# KiCad board panel-16.kicad_pcb
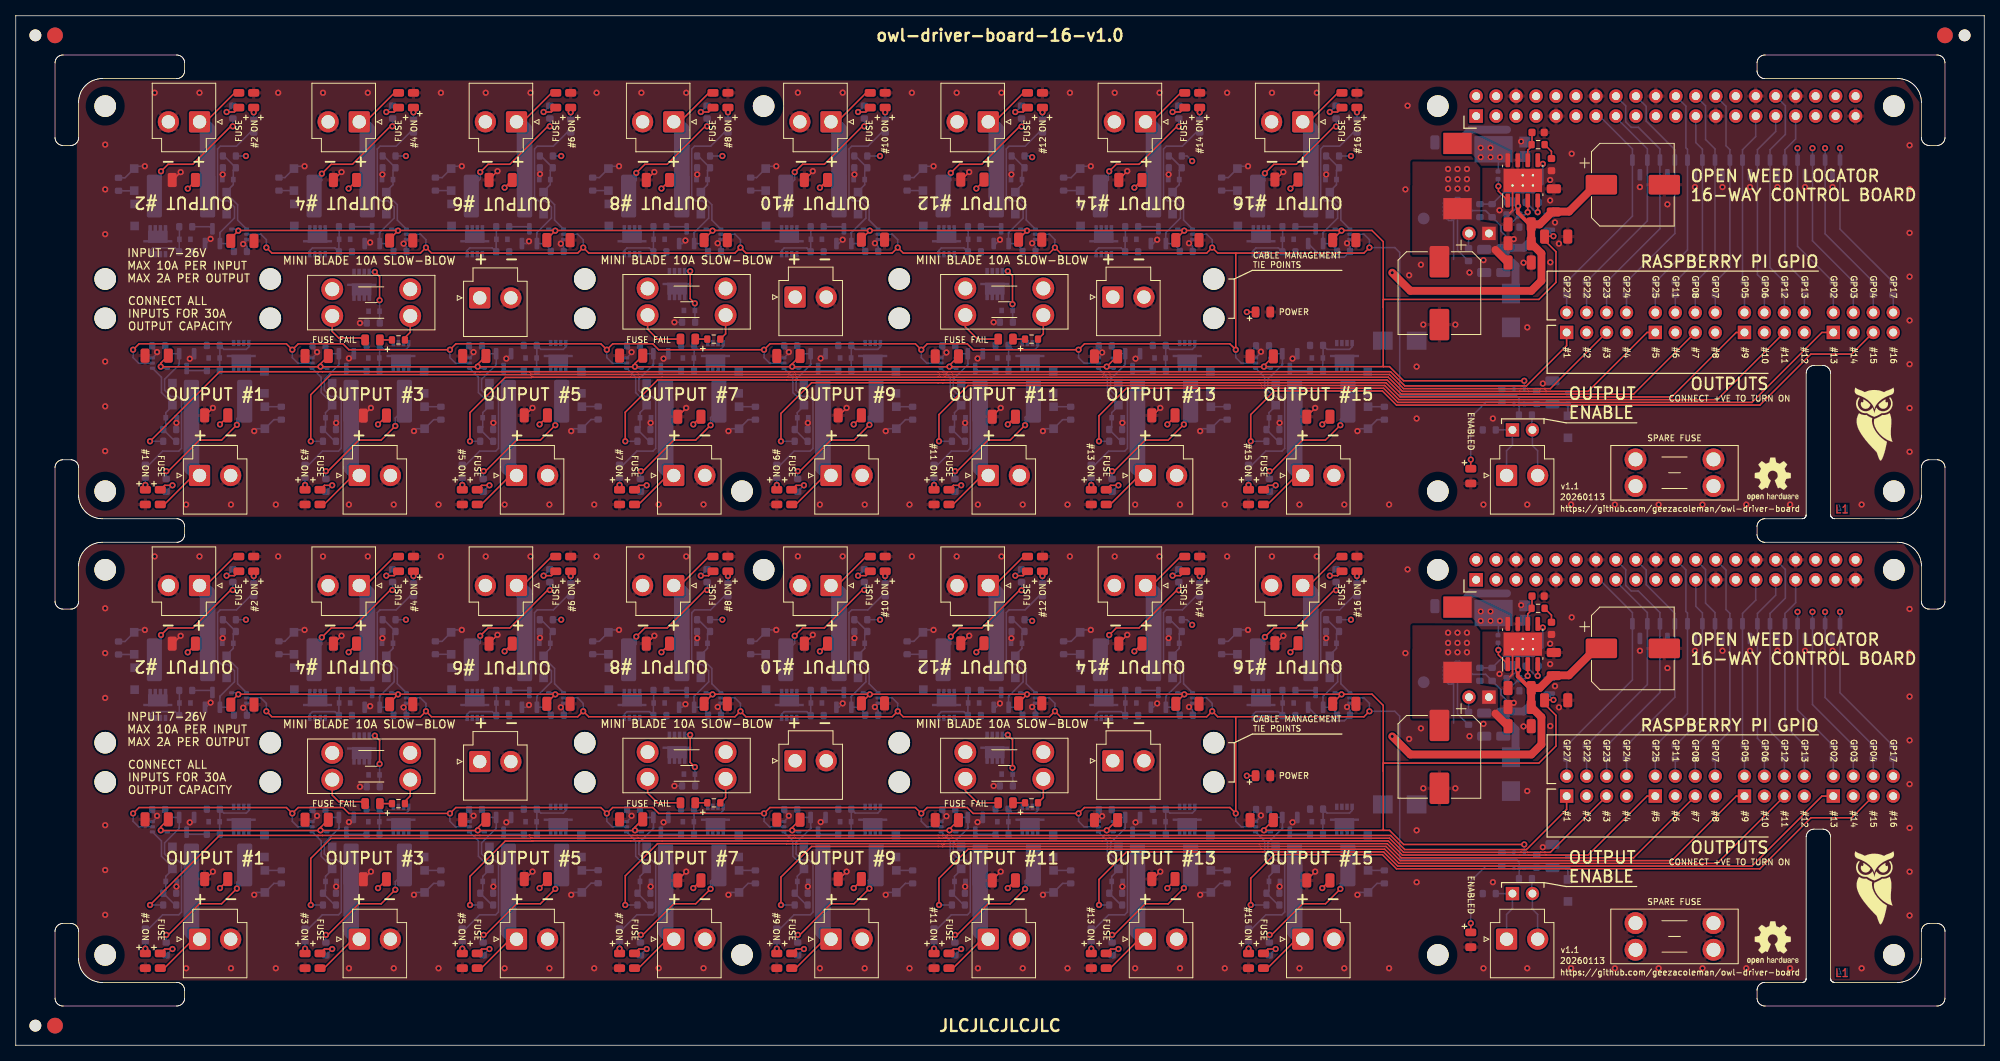
[diagram p0: board, top side]
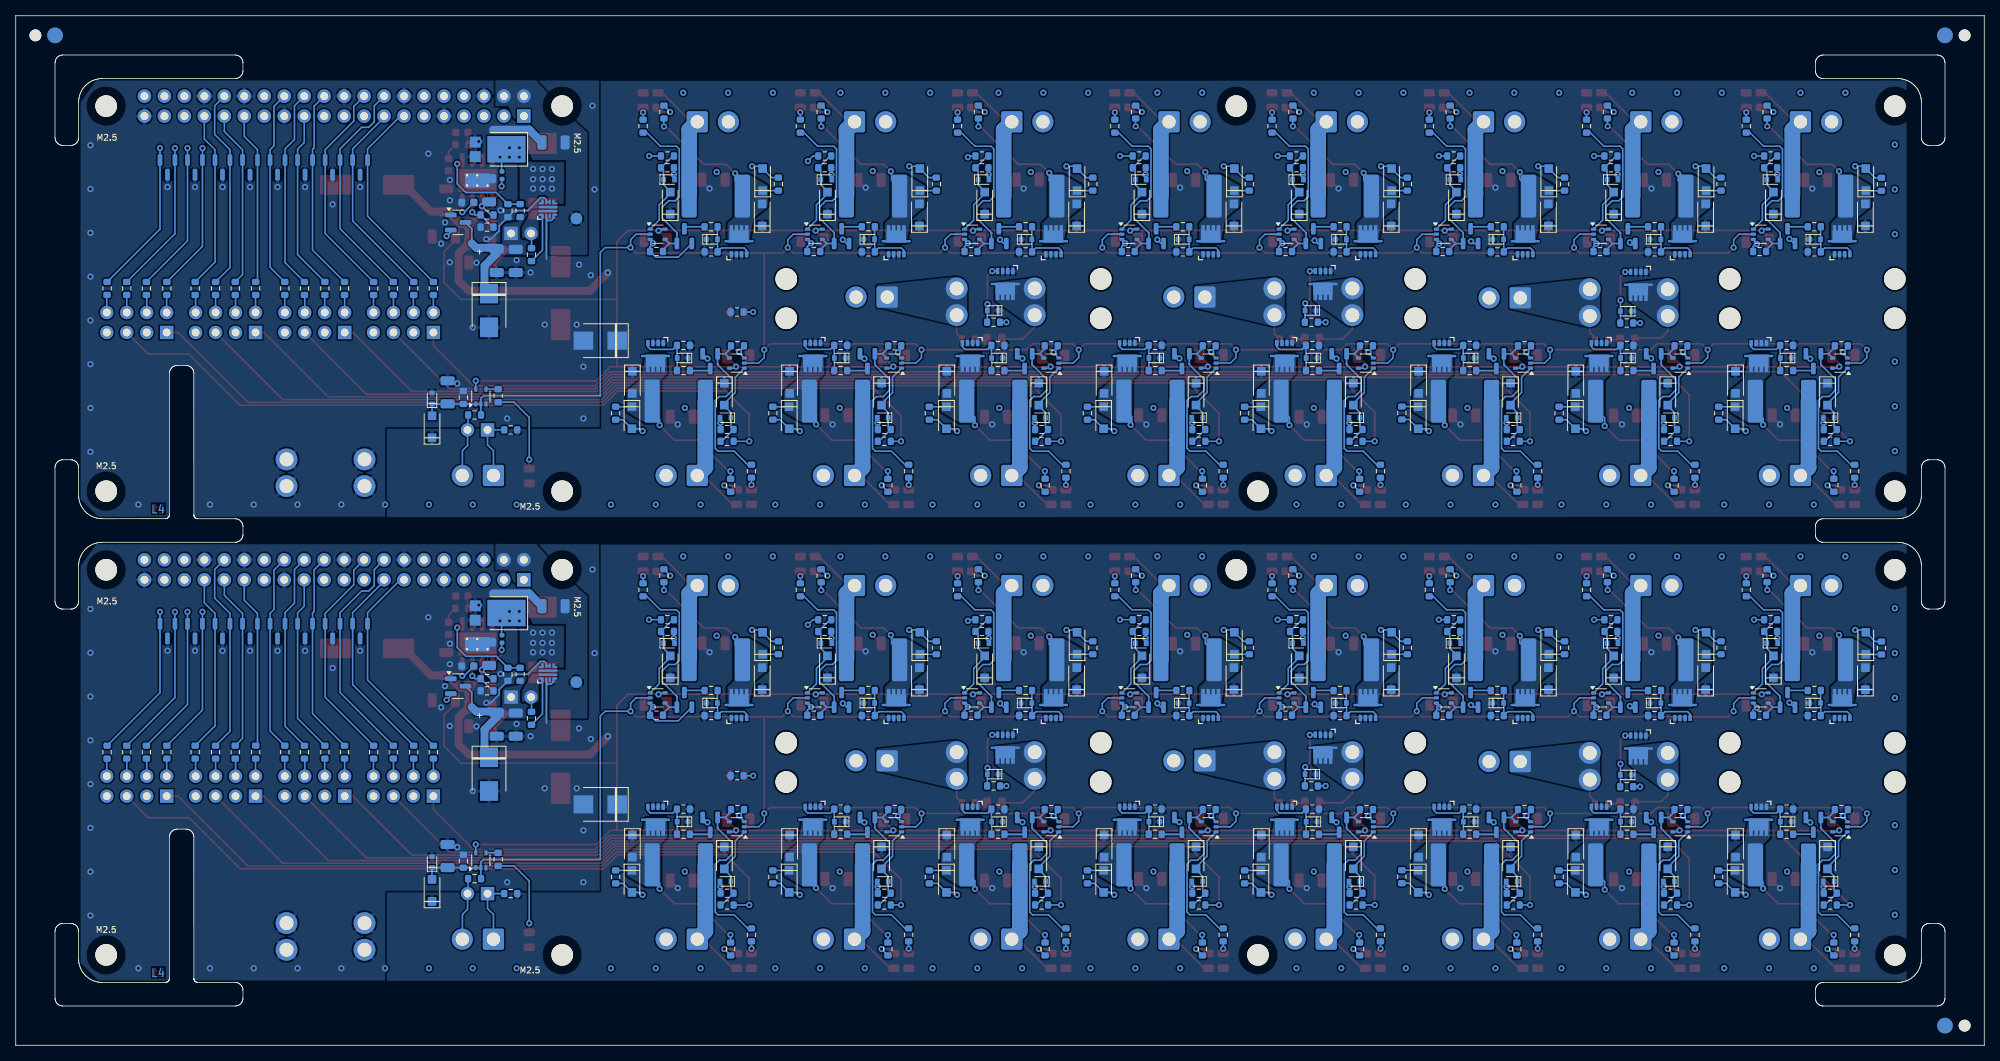
[diagram p1: board, bottom side, seen from below]

Outline 250.38 x 131 mm; copper layers: Top, In1.Cu, In2.Cu, Bottom. Coordinates in mm from the lower left corner of the outline.
Stack: Top 0.035mm / dielectric 0.1mm FR4 er 4.5 / In1.Cu 0.035mm / dielectric 1.24mm FR4 er 4.5 / In2.Cu 0.035mm / dielectric 0.1mm FR4 er 4.5 / Bottom 0.035mm

## Placement (name value [footprint] x y rotation side)
C1  10uF  [C_1206_3216Metric_nosilk]  165.68 79.98 180 top
C1#2  10uF  [C_1206_3216Metric_nosilk]  165.68 20.98 180 top
C2  10uF  [C_1206_3216Metric_nosilk]  21.38 110.1 180 top
C2#2  10uF  [C_1206_3216Metric_nosilk]  21.38 51.1 180 top
C3  10uF  [C_1206_3216Metric_nosilk]  125.68 20.98 180 top
C3#2  10uF  [C_1206_3216Metric_nosilk]  125.68 79.98 180 top
C4  10uF  [C_1206_3216Metric_nosilk]  45.68 80.13 180 top
C4#2  10uF  [C_1206_3216Metric_nosilk]  45.68 21.13 180 top
C5  10uF  [C_1206_3216Metric_nosilk]  195.63 107.5 90 top
C5#2  10uF  [C_1206_3216Metric_nosilk]  195.63 48.5 90 top
C6  10uF  [C_1206_3216Metric_nosilk]  191.28 104.45 180 top
C6#2  10uF  [C_1206_3216Metric_nosilk]  191.28 45.45 180 top
C7  10uF  [C_1206_3216Metric_nosilk]  41.88 51.1 180 top
C7#2  10uF  [C_1206_3216Metric_nosilk]  41.88 110.1 180 top
C8  220uF 50V  [CP_Elec_10x10]  205.68 109.5 0 top
C8#2  220uF 50V  [CP_Elec_10x10]  205.68 50.5 0 top
C9  10uF  [C_1206_3216Metric_nosilk]  189.2 40.8 270 bottom
C9#2  10uF  [C_1206_3216Metric_nosilk]  189.2 99.8 270 bottom
C10  10uF  [C_1206_3216Metric_nosilk]  181.98 114.88 0 bottom
C10#2  10uF  [C_1206_3216Metric_nosilk]  181.98 55.88 0 bottom
C11  10uF  [C_1206_3216Metric_nosilk]  61.68 110.1 180 top
C11#2  10uF  [C_1206_3216Metric_nosilk]  61.68 51.1 180 top
C12  10uF  [C_1206_3216Metric_nosilk]  141.78 51.1 180 top
C12#2  10uF  [C_1206_3216Metric_nosilk]  141.78 110.1 180 top
C13  220uF 50V  [CP_Elec_10x10]  181.08 36.7 270 top
C13#2  220uF 50V  [CP_Elec_10x10]  181.08 95.7 270 top
C14  10uF  [C_1206_3216Metric_nosilk]  191.28 99.6 0 top
C14#2  10uF  [C_1206_3216Metric_nosilk]  191.28 40.6 0 top
C15  10uF  [C_1206_3216Metric_nosilk]  85.68 20.98 180 top
C15#2  10uF  [C_1206_3216Metric_nosilk]  85.68 79.98 180 top
C16  10uF  [C_1206_3216Metric_nosilk]  101.78 51.1 180 top
C16#2  10uF  [C_1206_3216Metric_nosilk]  101.78 110.1 180 top
C17  100n  [C_0402_1005Metric_nosilk]  188.53 51.7 90 bottom
C17#2  100n  [C_0402_1005Metric_nosilk]  188.53 110.7 90 bottom
C18  10uF  [C_1206_3216Metric_nosilk]  191.28 43.05 180 top
C18#2  10uF  [C_1206_3216Metric_nosilk]  191.28 102.05 180 top
C19  10uF  [C_1206_3216Metric_nosilk]  190.18 108.8 90 bottom
C19#2  10uF  [C_1206_3216Metric_nosilk]  190.18 49.8 90 bottom
C20  10uF  [C_1206_3216Metric_nosilk]  186.78 99.8 270 bottom
C20#2  10uF  [C_1206_3216Metric_nosilk]  186.78 40.8 270 bottom
C21  10uF  [C_1206_3216Metric_nosilk]  81.68 51.1 180 top
C21#2  10uF  [C_1206_3216Metric_nosilk]  81.68 110.1 180 top
C22  10p  [C_0603_1608Metric_nosilk]  193.63 57.15 0 top
C22#2  10p  [C_0603_1608Metric_nosilk]  193.63 116.15 0 top
C23  2n  [C_0603_1608Metric_nosilk]  195.33 53.05 270 top
C23#2  2n  [C_0603_1608Metric_nosilk]  195.33 112.05 270 top
C24  10n  [C_0603_1608Metric_nosilk]  192.88 107.25 0 bottom
C24#2  10n  [C_0603_1608Metric_nosilk]  192.88 48.25 0 bottom
C25  10uF  [C_1206_3216Metric_nosilk]  195.45 24.08 90 bottom
C25#2  10uF  [C_1206_3216Metric_nosilk]  195.45 83.08 90 bottom
C26  10uF  [C_1206_3216Metric_nosilk]  121.68 110.15 180 top
C26#2  10uF  [C_1206_3216Metric_nosilk]  121.68 51.15 180 top
C27  10uF  [C_1206_3216Metric_nosilk]  161.63 51.15 180 top
C27#2  10uF  [C_1206_3216Metric_nosilk]  161.63 110.15 180 top
C28  10uF  [C_1206_3216Metric_nosilk]  25.5 21.15 180 top
C28#2  10uF  [C_1206_3216Metric_nosilk]  25.5 80.15 180 top
C29  10uF  [C_1206_3216Metric_nosilk]  17.93 28.75 180 top
C29#2  10uF  [C_1206_3216Metric_nosilk]  17.93 87.75 180 top
C30  10uF  [C_1206_3216Metric_nosilk]  195.93 43.9 0 top
C30#2  10uF  [C_1206_3216Metric_nosilk]  195.93 102.9 0 top
C31  10uF  [C_1206_3216Metric_nosilk]  28.83 102.35 0 top
C31#2  10uF  [C_1206_3216Metric_nosilk]  28.83 43.35 0 top
C32  10uF  [C_1206_3216Metric_nosilk]  38.28 28.7 180 top
C32#2  10uF  [C_1206_3216Metric_nosilk]  38.28 87.7 180 top
C33  10uF  [C_1206_3216Metric_nosilk]  49.03 102.4 0 top
C33#2  10uF  [C_1206_3216Metric_nosilk]  49.03 43.4 0 top
C34  10uF  [C_1206_3216Metric_nosilk]  58.33 28.7 180 top
C34#2  10uF  [C_1206_3216Metric_nosilk]  58.33 87.7 180 top
C35  10uF  [C_1206_3216Metric_nosilk]  69.03 43.45 0 top
C35#2  10uF  [C_1206_3216Metric_nosilk]  69.03 102.45 0 top
C36  10uF  [C_1206_3216Metric_nosilk]  78.28 28.75 180 top
C36#2  10uF  [C_1206_3216Metric_nosilk]  78.28 87.75 180 top
C37  10uF  [C_1206_3216Metric_nosilk]  89.03 102.45 0 top
C37#2  10uF  [C_1206_3216Metric_nosilk]  89.03 43.45 0 top
C38  10uF  [C_1206_3216Metric_nosilk]  98.28 28.7 180 top
C38#2  10uF  [C_1206_3216Metric_nosilk]  98.28 87.7 180 top
C39  10uF  [C_1206_3216Metric_nosilk]  109.03 43.5 0 top
C39#2  10uF  [C_1206_3216Metric_nosilk]  109.03 102.5 0 top
C40  10uF  [C_1206_3216Metric_nosilk]  118.43 87.65 180 top
C40#2  10uF  [C_1206_3216Metric_nosilk]  118.43 28.65 180 top
C41  10uF  [C_1206_3216Metric_nosilk]  129.03 43.5 0 top
C41#2  10uF  [C_1206_3216Metric_nosilk]  129.03 102.5 0 top
C42  10uF  [C_1206_3216Metric_nosilk]  138.68 87.65 180 top
C42#2  10uF  [C_1206_3216Metric_nosilk]  138.68 28.65 180 top
C43  10uF  [C_1206_3216Metric_nosilk]  149.03 43.45 0 top
C43#2  10uF  [C_1206_3216Metric_nosilk]  149.03 102.45 0 top
C44  10uF  [C_1206_3216Metric_nosilk]  158.48 28.65 180 top
C44#2  10uF  [C_1206_3216Metric_nosilk]  158.48 87.65 180 top
C45  10uF  [C_1206_3216Metric_nosilk]  168.98 102.45 0 top
C45#2  10uF  [C_1206_3216Metric_nosilk]  168.98 43.45 0 top
C46  10uF  [C_1206_3216Metric_nosilk]  145.98 21.15 180 top
C46#2  10uF  [C_1206_3216Metric_nosilk]  145.98 80.15 180 top
C47  10uF  [C_1206_3216Metric_nosilk]  106.08 80.15 180 top
C47#2  10uF  [C_1206_3216Metric_nosilk]  106.08 21.15 180 top
C48  10uF  [C_1206_3216Metric_nosilk]  66.15 80.15 180 top
C48#2  10uF  [C_1206_3216Metric_nosilk]  66.15 21.15 180 top
D1  KT-0805Y  [LED_0805_2012Metric]  45.38 30.75 0 top
D1#2  KT-0805Y  [LED_0805_2012Metric]  45.38 89.75 0 top
D2  BZT585B13T-7 13V  [D_SOD-523_silkpolarity]  25.24 28.45 0 bottom
D2#2  BZT585B13T-7 13V  [D_SOD-523_silkpolarity]  25.24 87.45 0 bottom
D3  BZT585B13T-7 13V  [D_SOD-523_silkpolarity]  21.52 102.55 180 bottom
D3#2  BZT585B13T-7 13V  [D_SOD-523_silkpolarity]  21.52 43.55 180 bottom
D4  KT-0805Y  [LED_0805_2012Metric]  18.39 69.75 90 top
D4#2  KT-0805Y  [LED_0805_2012Metric]  18.39 10.75 90 top
D5  KT-0805Y  [LED_0805_2012Metric]  28.37 120.25 270 top
D5#2  KT-0805Y  [LED_0805_2012Metric]  28.37 61.25 270 top
D6  BZT52C5V1T  [D_SOD-523_silkpolarity]  45.58 93.4 0 bottom
D6#2  BZT52C5V1T  [D_SOD-523_silkpolarity]  45.58 34.4 0 bottom
D7  SMBJ26A  [D_SMB_silkpolarity]  176.03 30.65 0 bottom
D7#2  SMBJ26A  [D_SMB_silkpolarity]  176.03 89.65 0 bottom
D8  DSK34  [D_SOD-123F_silkpolarity]  31.64 84.35 270 bottom
D8#2  DSK34  [D_SOD-123F_silkpolarity]  31.64 25.35 270 bottom
D9  DSK34  [D_SOD-123F_silkpolarity]  15.12 105.65 90 bottom
D9#2  DSK34  [D_SOD-123F_silkpolarity]  15.12 46.65 90 bottom
D10  DSK34  [D_SOD-123F_silkpolarity]  31.69 20.85 270 bottom
D10#2  DSK34  [D_SOD-123F_silkpolarity]  31.69 79.85 270 bottom
D11  DSK34  [D_SOD-123F_silkpolarity]  15.07 110.15 90 bottom
D11#2  DSK34  [D_SOD-123F_silkpolarity]  15.07 51.15 90 bottom
D12  DSK34  [D_SOD-123F_silkpolarity]  19.94 23.85 270 bottom
D12#2  DSK34  [D_SOD-123F_silkpolarity]  19.94 82.85 270 bottom
D13  DSK34  [D_SOD-123F_silkpolarity]  26.82 48.15 90 bottom
D13#2  DSK34  [D_SOD-123F_silkpolarity]  26.82 107.15 90 bottom
D14  DSK34  [D_SOD-123F_silkpolarity]  40.25 82.85 270 bottom
D14#2  DSK34  [D_SOD-123F_silkpolarity]  40.25 23.85 270 bottom
D15  BZT585B13T-7 13V  [D_SOD-523_silkpolarity]  45.55 87.45 0 bottom
D15#2  BZT585B13T-7 13V  [D_SOD-523_silkpolarity]  45.55 28.45 0 bottom
D16  SMBJ5.0A  [D_SMB_silkpolarity]  190.18 34.5 270 bottom
D16#2  SMBJ5.0A  [D_SMB_silkpolarity]  190.18 93.5 270 bottom
D17  DSK34  [D_SOD-123F_silkpolarity]  51.95 25.35 270 bottom
D17#2  DSK34  [D_SOD-123F_silkpolarity]  51.95 84.35 270 bottom
D18  DSK34  [D_SOD-123F_silkpolarity]  52 79.85 270 bottom
D18#2  DSK34  [D_SOD-123F_silkpolarity]  52 20.85 270 bottom
D19  KT-0805Y  [LED_0805_2012Metric]  38.7 69.75 90 top
D19#2  KT-0805Y  [LED_0805_2012Metric]  38.7 10.75 90 top
D20  DSK34  [D_SOD-123F_silkpolarity]  47.14 48.15 90 bottom
D20#2  DSK34  [D_SOD-123F_silkpolarity]  47.14 107.15 90 bottom
D21  BZT585B13T-7 13V  [D_SOD-523_silkpolarity]  41.84 43.55 180 bottom
D21#2  BZT585B13T-7 13V  [D_SOD-523_silkpolarity]  41.84 102.55 180 bottom
D22  DSK34  [D_SOD-123F_silkpolarity]  35.44 46.65 90 bottom
D22#2  DSK34  [D_SOD-123F_silkpolarity]  35.44 105.65 90 bottom
D23  DSK34  [D_SOD-123F_silkpolarity]  35.39 51.15 90 bottom
D23#2  DSK34  [D_SOD-123F_silkpolarity]  35.39 110.15 90 bottom
D24  KT-0805Y  [LED_0805_2012Metric]  48.69 61.25 270 top
D24#2  KT-0805Y  [LED_0805_2012Metric]  48.69 120.25 270 top
D25  DSK34  [D_SOD-123F_silkpolarity]  60.25 23.85 270 bottom
D25#2  DSK34  [D_SOD-123F_silkpolarity]  60.25 82.85 270 bottom
D26  BZT585B13T-7 13V  [D_SOD-523_silkpolarity]  65.55 28.45 0 bottom
D26#2  BZT585B13T-7 13V  [D_SOD-523_silkpolarity]  65.55 87.45 0 bottom
D27  DSK34  [D_SOD-123F_silkpolarity]  71.95 25.35 270 bottom
D27#2  DSK34  [D_SOD-123F_silkpolarity]  71.95 84.35 270 bottom
D28  DSK34  [D_SOD-123F_silkpolarity]  72 79.85 270 bottom
D28#2  DSK34  [D_SOD-123F_silkpolarity]  72 20.85 270 bottom
D29  KT-0805G  [LED_0805_2012Metric]  16.49 69.75 90 top
D29#2  KT-0805G  [LED_0805_2012Metric]  16.49 10.75 90 top
D30  KT-0805G  [LED_0805_2012Metric]  30.27 120.25 270 top
D30#2  KT-0805G  [LED_0805_2012Metric]  30.27 61.25 270 top
D31  KT-0805G  [LED_0805_2012Metric]  36.8 69.75 90 top
D31#2  KT-0805G  [LED_0805_2012Metric]  36.8 10.75 90 top
D32  KT-0805Y  [LED_0805_2012Metric]  85.49 30.85 0 top
D32#2  KT-0805Y  [LED_0805_2012Metric]  85.49 89.85 0 top
D33  BZT52C5V1T  [D_SOD-523_silkpolarity]  85.69 34.5 0 bottom
D33#2  BZT52C5V1T  [D_SOD-523_silkpolarity]  85.69 93.5 0 bottom
D34  AZ23C3V3  [SOT-23_nosilk]  206.58 52.7 270 bottom
D34#2  AZ23C3V3  [SOT-23_nosilk]  206.58 111.7 270 bottom
D35  AZ23C3V3  [SOT-23_nosilk]  210.08 52.7 270 bottom
D35#2  AZ23C3V3  [SOT-23_nosilk]  210.08 111.7 270 bottom
D36  PDS1040L-13  [D_PowerDI-5]  189.08 114 0 bottom
D36#2  PDS1040L-13  [D_PowerDI-5]  189.08 55 0 bottom
D37  KT-0805G  [LED_0805_2012Metric]  50.59 120.25 270 top
D37#2  KT-0805G  [LED_0805_2012Metric]  50.59 61.25 270 top
D38  KT-0805G  [LED_0805_2012Metric]  158.63 93.3 180 top
D38#2  KT-0805G  [LED_0805_2012Metric]  158.63 34.3 180 top
D39  BZT52C5V1T  [D_SOD-523_silkpolarity]  197.43 23.3 90 bottom
D39#2  BZT52C5V1T  [D_SOD-523_silkpolarity]  197.43 82.3 90 bottom
D40  DSK34  [D_SOD-123F_silkpolarity]  197.43 19.7 90 bottom
D40#2  DSK34  [D_SOD-123F_silkpolarity]  197.43 78.7 90 bottom
D41  KT-0805G  [LED_0805_2012Metric]  185.07 13.43 90 top
D41#2  KT-0805G  [LED_0805_2012Metric]  185.07 72.43 90 top
D42  KT-0805G  [LED_0805_2012Metric]  56.8 10.75 90 top
D42#2  KT-0805G  [LED_0805_2012Metric]  56.8 69.75 90 top
D43  KT-0805Y  [LED_0805_2012Metric]  58.7 10.75 90 top
D43#2  KT-0805Y  [LED_0805_2012Metric]  58.7 69.75 90 top
D44  DSK34  [D_SOD-123F_silkpolarity]  67.14 48.15 90 bottom
D44#2  DSK34  [D_SOD-123F_silkpolarity]  67.14 107.15 90 bottom
D45  BZT52C5V1T  [D_SOD-523_silkpolarity]  19.79 20.85 0 bottom
D45#2  BZT52C5V1T  [D_SOD-523_silkpolarity]  19.79 79.85 0 bottom
D46  BZT52C5V1T  [D_SOD-523_silkpolarity]  26.97 110.15 180 bottom
D46#2  BZT52C5V1T  [D_SOD-523_silkpolarity]  26.97 51.15 180 bottom
D47  BZT52C5V1T  [D_SOD-523_silkpolarity]  40.1 79.85 0 bottom
D47#2  BZT52C5V1T  [D_SOD-523_silkpolarity]  40.1 20.85 0 bottom
D48  BZT52C5V1T  [D_SOD-523_silkpolarity]  47.29 51.15 180 bottom
D48#2  BZT52C5V1T  [D_SOD-523_silkpolarity]  47.29 110.15 180 bottom
D49  BZT52C5V1T  [D_SOD-523_silkpolarity]  60.1 79.85 0 bottom
D49#2  BZT52C5V1T  [D_SOD-523_silkpolarity]  60.1 20.85 0 bottom
D50  BZT52C5V1T  [D_SOD-523_silkpolarity]  67.29 110.15 180 bottom
D50#2  BZT52C5V1T  [D_SOD-523_silkpolarity]  67.29 51.15 180 bottom
D51  KT-0805G  [LED_0805_2012Metric]  70.59 120.25 270 top
D51#2  KT-0805G  [LED_0805_2012Metric]  70.59 61.25 270 top
D52  BZT585B13T-7 13V  [D_SOD-523_silkpolarity]  61.84 102.55 180 bottom
D52#2  BZT585B13T-7 13V  [D_SOD-523_silkpolarity]  61.84 43.55 180 bottom
D53  DSK34  [D_SOD-123F_silkpolarity]  55.44 105.65 90 bottom
D53#2  DSK34  [D_SOD-123F_silkpolarity]  55.44 46.65 90 bottom
D54  DSK34  [D_SOD-123F_silkpolarity]  55.39 110.15 90 bottom
D54#2  DSK34  [D_SOD-123F_silkpolarity]  55.39 51.15 90 bottom
D55  KT-0805Y  [LED_0805_2012Metric]  68.69 61.25 270 top
D55#2  KT-0805Y  [LED_0805_2012Metric]  68.69 120.25 270 top
D56  DSK34  [D_SOD-123F_silkpolarity]  80.25 23.85 270 bottom
D56#2  DSK34  [D_SOD-123F_silkpolarity]  80.25 82.85 270 bottom
D57  BZT52C5V1T  [D_SOD-523_silkpolarity]  80.1 20.85 0 bottom
D57#2  BZT52C5V1T  [D_SOD-523_silkpolarity]  80.1 79.85 0 bottom
D58  KT-0805G  [LED_0805_2012Metric]  76.8 10.75 90 top
D58#2  KT-0805G  [LED_0805_2012Metric]  76.8 69.75 90 top
D59  BZT585B13T-7 13V  [D_SOD-523_silkpolarity]  85.55 87.45 0 bottom
D59#2  BZT585B13T-7 13V  [D_SOD-523_silkpolarity]  85.55 28.45 0 bottom
D60  DSK34  [D_SOD-123F_silkpolarity]  91.95 84.35 270 bottom
D60#2  DSK34  [D_SOD-123F_silkpolarity]  91.95 25.35 270 bottom
D61  DSK34  [D_SOD-123F_silkpolarity]  92 20.85 270 bottom
D61#2  DSK34  [D_SOD-123F_silkpolarity]  92 79.85 270 bottom
D62  KT-0805Y  [LED_0805_2012Metric]  78.7 10.75 90 top
D62#2  KT-0805Y  [LED_0805_2012Metric]  78.7 69.75 90 top
D63  DSK34  [D_SOD-123F_silkpolarity]  87.14 48.15 90 bottom
D63#2  DSK34  [D_SOD-123F_silkpolarity]  87.14 107.15 90 bottom
D64  BZT52C5V1T  [D_SOD-523_silkpolarity]  87.29 51.15 180 bottom
D64#2  BZT52C5V1T  [D_SOD-523_silkpolarity]  87.29 110.15 180 bottom
D65  KT-0805G  [LED_0805_2012Metric]  90.59 120.25 270 top
D65#2  KT-0805G  [LED_0805_2012Metric]  90.59 61.25 270 top
D66  BZT585B13T-7 13V  [D_SOD-523_silkpolarity]  81.84 43.55 180 bottom
D66#2  BZT585B13T-7 13V  [D_SOD-523_silkpolarity]  81.84 102.55 180 bottom
D67  DSK34  [D_SOD-123F_silkpolarity]  75.44 46.65 90 bottom
D67#2  DSK34  [D_SOD-123F_silkpolarity]  75.44 105.65 90 bottom
D68  DSK34  [D_SOD-123F_silkpolarity]  75.39 51.15 90 bottom
D68#2  DSK34  [D_SOD-123F_silkpolarity]  75.39 110.15 90 bottom
D69  KT-0805Y  [LED_0805_2012Metric]  88.69 120.25 270 top
D69#2  KT-0805Y  [LED_0805_2012Metric]  88.69 61.25 270 top
D70  DSK34  [D_SOD-123F_silkpolarity]  100.25 23.85 270 bottom
D70#2  DSK34  [D_SOD-123F_silkpolarity]  100.25 82.85 270 bottom
D71  BZT52C5V1T  [D_SOD-523_silkpolarity]  100.1 20.85 0 bottom
D71#2  BZT52C5V1T  [D_SOD-523_silkpolarity]  100.1 79.85 0 bottom
D72  KT-0805G  [LED_0805_2012Metric]  96.8 10.75 90 top
D72#2  KT-0805G  [LED_0805_2012Metric]  96.8 69.75 90 top
D73  BZT585B13T-7 13V  [D_SOD-523_silkpolarity]  105.55 28.45 0 bottom
D73#2  BZT585B13T-7 13V  [D_SOD-523_silkpolarity]  105.55 87.45 0 bottom
D74  DSK34  [D_SOD-123F_silkpolarity]  111.95 84.35 270 bottom
D74#2  DSK34  [D_SOD-123F_silkpolarity]  111.95 25.35 270 bottom
D75  DSK34  [D_SOD-123F_silkpolarity]  112 20.85 270 bottom
D75#2  DSK34  [D_SOD-123F_silkpolarity]  112 79.85 270 bottom
D76  KT-0805Y  [LED_0805_2012Metric]  98.7 10.75 90 top
D76#2  KT-0805Y  [LED_0805_2012Metric]  98.7 69.75 90 top
D77  DSK34  [D_SOD-123F_silkpolarity]  107.14 107.15 90 bottom
D77#2  DSK34  [D_SOD-123F_silkpolarity]  107.14 48.15 90 bottom
D78  BZT52C5V1T  [D_SOD-523_silkpolarity]  107.29 110.15 180 bottom
D78#2  BZT52C5V1T  [D_SOD-523_silkpolarity]  107.29 51.15 180 bottom
D79  KT-0805G  [LED_0805_2012Metric]  110.59 120.25 270 top
D79#2  KT-0805G  [LED_0805_2012Metric]  110.59 61.25 270 top
D80  BZT585B13T-7 13V  [D_SOD-523_silkpolarity]  101.84 43.55 180 bottom
D80#2  BZT585B13T-7 13V  [D_SOD-523_silkpolarity]  101.84 102.55 180 bottom
D81  DSK34  [D_SOD-123F_silkpolarity]  95.44 46.65 90 bottom
D81#2  DSK34  [D_SOD-123F_silkpolarity]  95.44 105.65 90 bottom
D82  DSK34  [D_SOD-123F_silkpolarity]  95.39 51.15 90 bottom
D82#2  DSK34  [D_SOD-123F_silkpolarity]  95.39 110.15 90 bottom
D83  KT-0805Y  [LED_0805_2012Metric]  108.69 61.25 270 top
D83#2  KT-0805Y  [LED_0805_2012Metric]  108.69 120.25 270 top
D84  DSK34  [D_SOD-123F_silkpolarity]  120.25 23.85 270 bottom
D84#2  DSK34  [D_SOD-123F_silkpolarity]  120.25 82.85 270 bottom
D85  BZT52C5V1T  [D_SOD-523_silkpolarity]  120.1 79.85 0 bottom
D85#2  BZT52C5V1T  [D_SOD-523_silkpolarity]  120.1 20.85 0 bottom
D86  KT-0805G  [LED_0805_2012Metric]  116.8 10.75 90 top
D86#2  KT-0805G  [LED_0805_2012Metric]  116.8 69.75 90 top
D87  BZT585B13T-7 13V  [D_SOD-523_silkpolarity]  125.55 28.45 0 bottom
D87#2  BZT585B13T-7 13V  [D_SOD-523_silkpolarity]  125.55 87.45 0 bottom
D88  DSK34  [D_SOD-123F_silkpolarity]  131.95 25.35 270 bottom
D88#2  DSK34  [D_SOD-123F_silkpolarity]  131.95 84.35 270 bottom
D89  DSK34  [D_SOD-123F_silkpolarity]  132 79.85 270 bottom
D89#2  DSK34  [D_SOD-123F_silkpolarity]  132 20.85 270 bottom
D90  KT-0805Y  [LED_0805_2012Metric]  118.7 10.75 90 top
D90#2  KT-0805Y  [LED_0805_2012Metric]  118.7 69.75 90 top
D91  DSK34  [D_SOD-123F_silkpolarity]  127.14 48.15 90 bottom
D91#2  DSK34  [D_SOD-123F_silkpolarity]  127.14 107.15 90 bottom
D92  BZT52C5V1T  [D_SOD-523_silkpolarity]  127.29 110.15 180 bottom
D92#2  BZT52C5V1T  [D_SOD-523_silkpolarity]  127.29 51.15 180 bottom
D93  KT-0805G  [LED_0805_2012Metric]  130.59 61.25 270 top
D93#2  KT-0805G  [LED_0805_2012Metric]  130.59 120.25 270 top
D94  BZT585B13T-7 13V  [D_SOD-523_silkpolarity]  121.84 43.55 180 bottom
D94#2  BZT585B13T-7 13V  [D_SOD-523_silkpolarity]  121.84 102.55 180 bottom
D95  DSK34  [D_SOD-123F_silkpolarity]  115.44 105.65 90 bottom
D95#2  DSK34  [D_SOD-123F_silkpolarity]  115.44 46.65 90 bottom
D96  DSK34  [D_SOD-123F_silkpolarity]  115.39 51.15 90 bottom
D96#2  DSK34  [D_SOD-123F_silkpolarity]  115.39 110.15 90 bottom
D97  KT-0805Y  [LED_0805_2012Metric]  128.69 61.25 270 top
D97#2  KT-0805Y  [LED_0805_2012Metric]  128.69 120.25 270 top
D98  DSK34  [D_SOD-123F_silkpolarity]  140.25 82.85 270 bottom
D98#2  DSK34  [D_SOD-123F_silkpolarity]  140.25 23.85 270 bottom
D99  BZT52C5V1T  [D_SOD-523_silkpolarity]  140.1 20.85 0 bottom
D99#2  BZT52C5V1T  [D_SOD-523_silkpolarity]  140.1 79.85 0 bottom
D100  KT-0805G  [LED_0805_2012Metric]  136.8 10.75 90 top
D100#2  KT-0805G  [LED_0805_2012Metric]  136.8 69.75 90 top
D101  BZT585B13T-7 13V  [D_SOD-523_silkpolarity]  145.55 87.45 0 bottom
D101#2  BZT585B13T-7 13V  [D_SOD-523_silkpolarity]  145.55 28.45 0 bottom
D102  DSK34  [D_SOD-123F_silkpolarity]  151.95 25.35 270 bottom
D102#2  DSK34  [D_SOD-123F_silkpolarity]  151.95 84.35 270 bottom
D103  DSK34  [D_SOD-123F_silkpolarity]  152 79.85 270 bottom
D103#2  DSK34  [D_SOD-123F_silkpolarity]  152 20.85 270 bottom
D104  KT-0805Y  [LED_0805_2012Metric]  138.7 10.75 90 top
D104#2  KT-0805Y  [LED_0805_2012Metric]  138.7 69.75 90 top
D105  DSK34  [D_SOD-123F_silkpolarity]  147.14 48.15 90 bottom
D105#2  DSK34  [D_SOD-123F_silkpolarity]  147.14 107.15 90 bottom
D106  BZT52C5V1T  [D_SOD-523_silkpolarity]  147.29 51.15 180 bottom
D106#2  BZT52C5V1T  [D_SOD-523_silkpolarity]  147.29 110.15 180 bottom
D107  KT-0805G  [LED_0805_2012Metric]  150.59 61.25 270 top
D107#2  KT-0805G  [LED_0805_2012Metric]  150.59 120.25 270 top
D108  BZT585B13T-7 13V  [D_SOD-523_silkpolarity]  141.84 102.55 180 bottom
D108#2  BZT585B13T-7 13V  [D_SOD-523_silkpolarity]  141.84 43.55 180 bottom
D109  DSK34  [D_SOD-123F_silkpolarity]  135.44 46.65 90 bottom
D109#2  DSK34  [D_SOD-123F_silkpolarity]  135.44 105.65 90 bottom
D110  DSK34  [D_SOD-123F_silkpolarity]  135.39 51.15 90 bottom
D110#2  DSK34  [D_SOD-123F_silkpolarity]  135.39 110.15 90 bottom
D111  KT-0805Y  [LED_0805_2012Metric]  148.69 61.25 270 top
D111#2  KT-0805Y  [LED_0805_2012Metric]  148.69 120.25 270 top
D112  DSK34  [D_SOD-123F_silkpolarity]  160.25 23.85 270 bottom
D112#2  DSK34  [D_SOD-123F_silkpolarity]  160.25 82.85 270 bottom
D113  BZT52C5V1T  [D_SOD-523_silkpolarity]  160.1 20.85 0 bottom
D113#2  BZT52C5V1T  [D_SOD-523_silkpolarity]  160.1 79.85 0 bottom
D114  KT-0805G  [LED_0805_2012Metric]  156.8 10.75 90 top
D114#2  KT-0805G  [LED_0805_2012Metric]  156.8 69.75 90 top
D115  BZT585B13T-7 13V  [D_SOD-523_silkpolarity]  165.55 87.45 0 bottom
D115#2  BZT585B13T-7 13V  [D_SOD-523_silkpolarity]  165.55 28.45 0 bottom
D116  DSK34  [D_SOD-123F_silkpolarity]  171.95 25.35 270 bottom
D116#2  DSK34  [D_SOD-123F_silkpolarity]  171.95 84.35 270 bottom